# Altium PCB BLDC-2020_LOCAL_2544.PcbDoc (part 1 of 2) (continued)
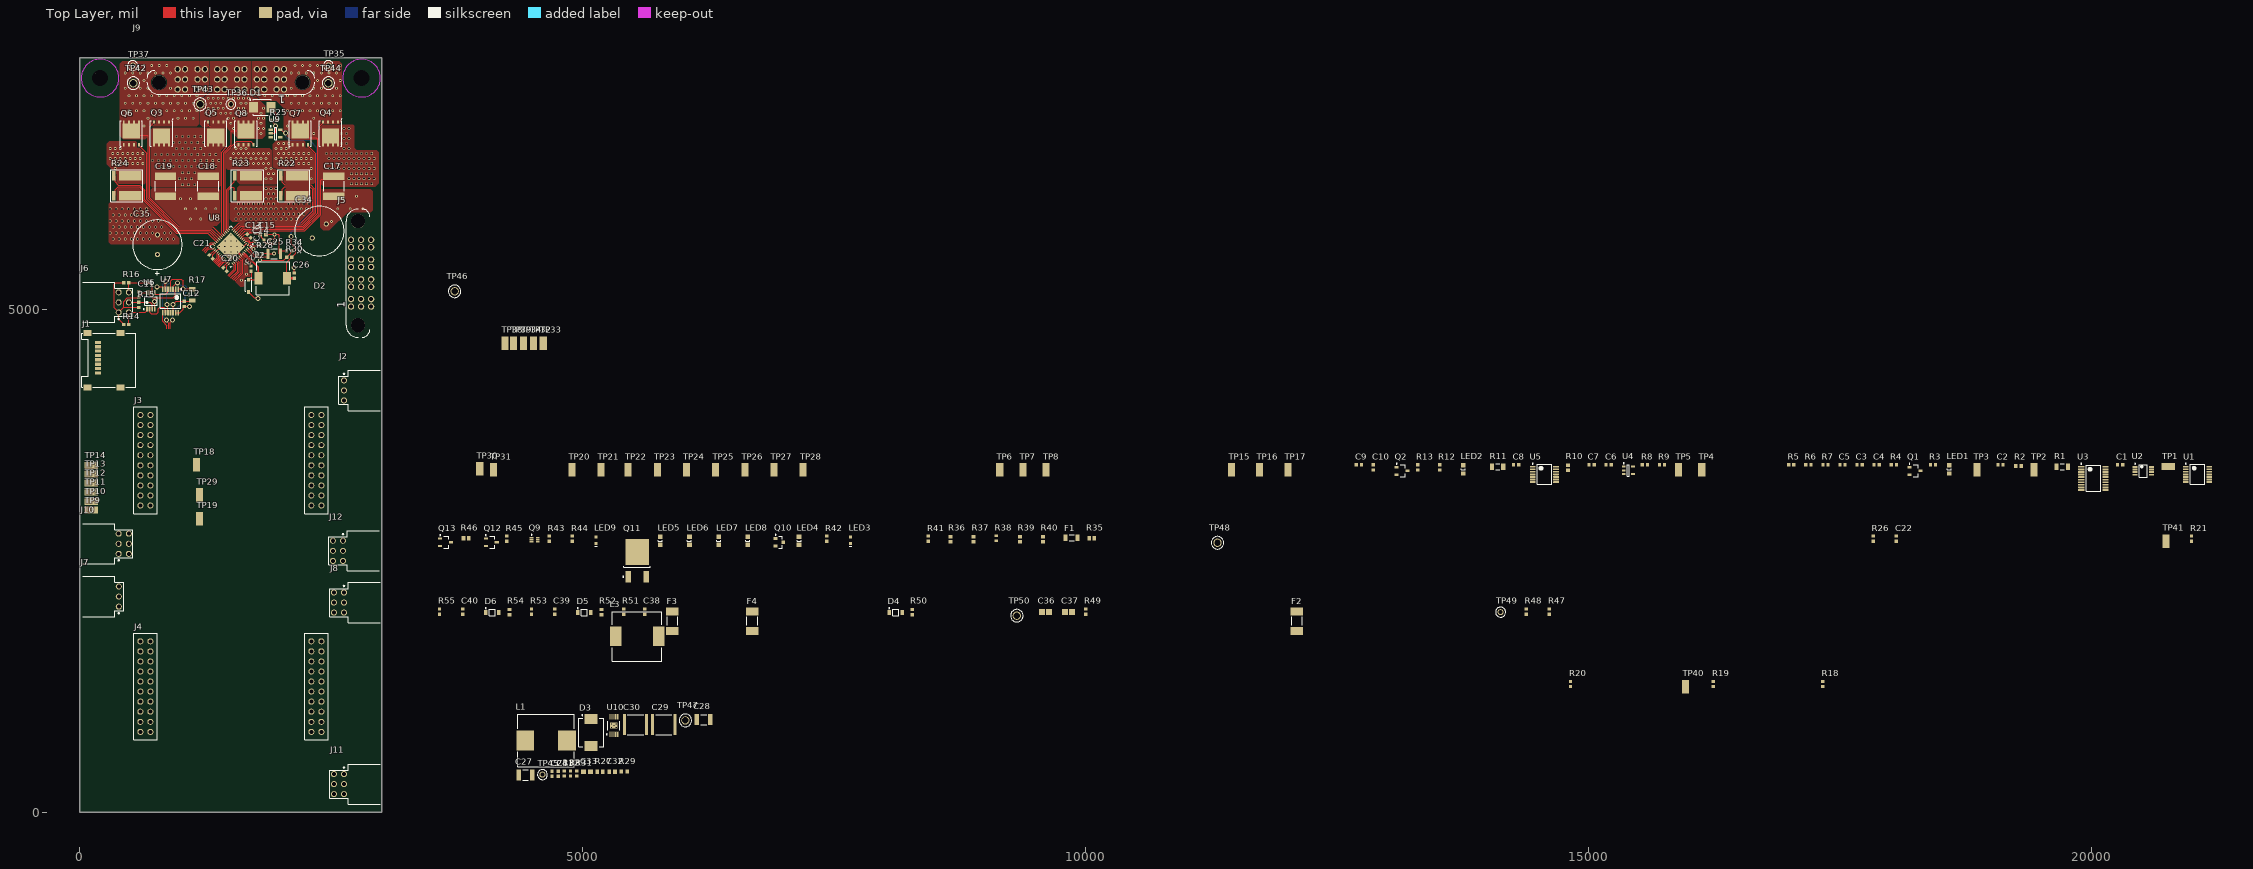
[diagram p0: Top Layer view]
## Part data (continued)
C25: library part CMP-2000-06053-1, "Chip Capacitor, 2.2 uF, +/- 10%, -55 to 125 degC, 1210 (3225 Metric), RoHS, Tape and Reel", Capacitance=2.2µF, Manufacturer=TDK, Operating Temperature=-55°C~125°C, Package / Case=1210(3225Metric), Package Description="2-Pin Surface Mount Device, Body 3.2 x 2.5 mm", Package Reference="1210 (3225 Metric)", PCN Part Number=MLCCPartNumberChange30/Nov/2012, Ratings=-, Standard Package=1, Temperature Coefficient=X7R, Tolerance=±10%, Voltage - Rated=100V, Applications=GeneralPurpose, Catalog Drawings=CSERIES_1210_2.5, Category=Capacitors, Datasheet URL=https://datasheet.ciiva.com/15192/getdatasheetpartid-725361-15192330.pdf, Datasheet Version=10/2014, Family=CeramicCapacitors, Featured Product=C-SeriesMidVoltageMLCCs, Features=-, Height - Seated (Max)=-, Lead Spacing=-, Lead Style=-, Manufacturer URL=http://www.tdk.com/, Mounting Technology=SurfaceMount, Mounting Type=SurfaceMount,MLCC, Online Catalog=CSeries,MidVoltage, Other Names=445-4497-6, Packaging=Digi-Reel®, Product Training Modules=SEAT,CCV,andTVCLDesignToolsGuidetoReplacinganElectrolyticCapacitorwithanMLCC, RoHS Information=RoHSCertificate-MLCC, Series=C, Size / Dimension="0.126\"Lx0.098\"W(3.20mmx2.50mm)", Thickness (Max)="0.098\"(2.50mm)"
C26: library part CL10A106MQ8NNNC, "Cap Ceramic 10uF 6.3V X5R 20% SMD 0603 85C Paper T/R", Case/Package=0603, Case Code (Metric)=1608, Dielectric=X5R, Manufacturer=Samsung, Max Operating Temperature=85°C, Min Operating Temperature=-55°C, Package Quantity=1, Tolerance=20%, Voltage=6.3V, Capacitance=10uF, Case Code (Imperial)=0603, ClassName="3.3V Regulator", ComponentLink1Description=http://www.samsungsem.com/kr/support/library/product-catalog/mlcc.jsp, ComponentLink1URL=http://www.samsungsem.com/kr/support/library/product-catalog/mlcc.jsp, ComponentLink2Description=https://www.verical.com/server-webapp/html/getDatasheet?partID=357557, ComponentLink2URL=https://www.verical.com/server-webapp/html/getDatasheet?partID=357557, ComponentLink3Description=http://www1.futureelectronics.com/doc/SAMSUNG%20PASSIVE/CL05B104KQ5NNNC.pdf, ComponentLink3URL=http://www1.futureelectronics.com/doc/SAMSUNG%20PASSIVE/CL05B104KQ5NNNC.pdf, Contact Plating=Tin, Depth=0.8mm, Height=0.8mm, Length=1.6mm, Manufacturer Part Number=CL10A106MQ8NNNC, Mount="Surface Mount", Packaging="Tape and Reel", Pricing 1="1=0.15, 10=0.11, 100=0.0515, 500=0.03614, 1000=0.02992 (USD)", Radiation Hardening=No, Stock 1=40000, Supplier 1=Digi-Key, Thickness=0.035inch, Voltage Rating=6.3V, Width=0.031inch
C27 C28: library part CMP-2000-05259-1, "CAP, Ceramic, 100 uF, 20%, 6.3 V, 1210, RoHS, Tape and Reel", Dielectric=X5R, Manufacturer=MurataElectronics, Operating Temperature=-55to85degC, Package/Case=1210, Package Description="2-Pin Surface Mount Device, Body 3.2 x 2.5 mm", Tolerance=20%, Voltage=6.3Vdc, Capacitance Value=100uF, Category=CapacitorCeramicMultilayer, ClassName="5V Regulator", Construction=Flat, Datasheet URL=https://datasheet.ciiva.com/29199/455114-da-01-en-vs-kondensator-1210-29199468.pdf, Datasheet Version=Dec-10, Manufacturer URL=http://www.murata.com/, Mounting=SurfaceMount, Package Reference=1210, Product Depth=2.5mm, Product Height=2.5mm, Product Length=3.2mm, Rad Hard=No, Type=Flat
C29 C30: library part CMP-2000-06059-1, "Chip Capacitor, 10 uF, +/- 20%, 100 V, -55 to 125 degC, 2220 (5750 Metric), RoHS, Tape and Reel", Capacitance=10µF, Manufacturer=TDK, Operating Temperature=-55°C~125°C, Package / Case=2220(5750Metric), Package Description="SMD, 2-Leads, Body 6.1 x 5.4 mm", Package Reference=C5750-2, PCN Part Number=MLCCPartNumberChange30/Nov/2012, Ratings=-, Standard Package=1, Temperature Coefficient=X7S, Tolerance=±20%, Voltage - Rated=100V, Applications=GeneralPurpose, Catalog Drawings=CSERIES_2220_2.5, Category=Capacitors, ClassName="5V Regulator", Datasheet URL=https://datasheet.ciiva.com/24216/c5750x7s2a106m230kb-265716-24216594.pdf, Datasheet Version=09/2013, Family=CeramicCapacitors, Featured Product=Compact,High-CapacitanceMultilayerCeramicChipCapacitorsMidVoltageX7S-100VMLCCsC-SeriesMidVoltageMLCCs, Features=-, Height - Seated (Max)=-, Kits=445-9009-KIT-ND-KITCAPCERHICAP100V-630VSMDSAMPLEKIT1008-ND-KITCAPCERMLCC100V-630V, Lead Spacing=-, Lead Style=-, Manufacturer URL=http://www.tdk.com/, Mounting Technology=SurfaceMount, Mounting Type=SurfaceMount,MLCC, Online Catalog=CSeries,MidVoltage, Other Names=445-5212-1, Packaging=CutTape(CT), Product Training Modules=SEAT,CCV,andTVCLDesignToolsCSeriesMidVoltageCapacitorsFamilyGuidetoReplacinganElectrolyticCapacitorwithanMLCC, RoHS Information=RoHSCertificate-MLCC, Series=C, Size / Dimension="0.224\"Lx0.197\"W(5.70mmx5.00mm)", Thickness (Max)="0.098\"(2.50mm)"
C32: library part CMP-2006-02483-1, Manufacturer=Murata, Part Number=GRM188R72A472KA01D, ClassName="5V Regulator"
C33: library part CMP-2006-02064-1, Manufacturer="AVX Interconnect / Elco", Part Number=06035C271KAT2A, ClassName="5V Regulator"
C34 C35: library part EGPD800ELL391MK25H, "CAP ALUM 390UF 20% 80V RADIAL", Case/Package=Radial, ESR (Equivalent Series Resistance)=52mR, Manufacturer 1="United Chemi-Con", Max Operating Temperature=135°C, Min Operating Temperature=-40°C, Package Quantity=1000, Ripple Current=2.05A, Tolerance=20%, Voltage Rating=80V, Capacitance=390uF, ClassName=FETBridge, ComponentLink1Description=https://datasheet.ciiva.com/31836/76cat-db-al-cgieejppdfnamegpd-cgieejppdfnamegpd-31836902.pdf?src-supplier=Onlinecomponents.com, ComponentLink1URL=https://datasheet.ciiva.com/31836/76cat-db-al-cgieejppdfnamegpd-cgieejppdfnamegpd-31836902.pdf?src-supplier=Onlinecomponents.com, Diameter=12.5mm, Height=12.5mm, Height - Seated (Max)=1.043inch, Lead/Base Style=Straight, Lead Pitch=0.197inch, Length=25mm, Life (Hours)=3000Hour, Manufacturer Part Number 1=EGPD800ELL391MK25H, Mount="Through Hole", Packaging=Bulk, Pricing 1="1=1.62000, 10=1.28300, 100=0.96200, 500=0.72684, 1000=0.64133, 2500=0.59857, 5000=0.58147 (USD)", RoHS=Yes, Stock 1=4261, Supplier 1=Digi-Key, Termination=Radial, Voltage Rating (DC)=80V, Width=12.5mm
C36 C37: library part CMP-2007-01021-1, Manufacturer=Kemet, Part Number=C0805C226M9PAC7800
C38 C39 C40: library part C0603C473K5RACTU, "Multilayer Ceramic Capacitor, C Series, 0.047 - F, - 10%, X7R, 50 V, 0603 [1608 Metric] ;RoHS Compliant: Yes", Case/Package=0603, Case Code (Metric)=1608, Dielectric=X7R, Dielectric Material=Ceramic, Manufacturer 1=KEMET, Max Operating Temperature=125°C, Min Operating Temperature=-55°C, Package Quantity=1, Tolerance=10%, Voltage=50V, Capacitance=47nF, Case Code (Imperial)=0603, ComponentLink1Description=https://datasheet.ciiva.com/6074/1776093-6074329.pdf?src-supplier=Farnell, ComponentLink1URL=https://datasheet.ciiva.com/6074/1776093-6074329.pdf?src-supplier=Farnell, ComponentLink2Description=https://datasheet.ciiva.com/28682/1851736-28682298.pdf?src-supplier=Element14, ComponentLink2URL=https://datasheet.ciiva.com/28682/1851736-28682298.pdf?src-supplier=Element14, ComponentLink3Description=https://datasheet.ciiva.com/7823/1776093-7823803.pdf?src-supplier=Element14, ComponentLink3URL=https://datasheet.ciiva.com/7823/1776093-7823803.pdf?src-supplier=Element14, ComponentLink4Description=https://datasheet.ciiva.com/18193/getdatasheetpartid-94279-18193115.pdf?src-supplier=Verical, ComponentLink4URL=https://datasheet.ciiva.com/18193/getdatasheetpartid-94279-18193115.pdf?src-supplier=Verical, ComponentLink5Description=https://datasheet.ciiva.com/7823/1776093-7823804.pdf?src-supplier=Element14, ComponentLink5URL=https://datasheet.ciiva.com/7823/1776093-7823804.pdf?src-supplier=Element14, Depth=0.8mm, Dissipation Factor=2.5%, Height=0.8mm, Lead Pitch=0.7mm, Length=1.6mm, Manufacturer Part Number 1=C0603C473K5RACTU, Mount="Surface Mount,PCB", Number of Pins=2, Packaging="Tape and Reel", Pricing 1="1=0.12000, 10=0.08800, 100=0.04130, 500=0.02896, 1000=0.02397 (USD)", Radiation Hardening=No, REACH SVHC="No SVHC", RoHS=Yes, Stock 1=340857, Supplier 1=Digi-Key, Termination=SMD/SMT, Thickness=0.034inch, Voltage Rating=50V, Voltage Rating (DC)=50V, Width=0.8mm
D1: library part CMP-1060-00146-1, "3 W Zener Voltage Regulator, 2-Pin SMB, Pb-Free, Tape and Reel", Manufacturer="On Semiconductor", ClassName=FETBridge, ComponentLink1Description="Manufacturer URL", ComponentLink1URL=http://www.onsemi.com/, ComponentLink2Description=Datasheet, ComponentLink2URL=http://www.onsemi.com/pub_link/Collateral/1SMB5913BT3-D.PDF, ComponentLink3Description="Package Specification", ComponentLink3URL=http://www.onsemi.com/pub_link/Collateral/1SMB5913BT3-D.PDF, DatasheetVersion="Rev. 8", Mounting Technology="Surface Mount", PackageDescription="2-Pin Small Molded Package, J-Bend Lead, Body 4.33 x 3.625 mm", PackageReference=SMB-2-403A-03_H, PackageVersion="Rev. H, 05/2011", Packing="Tape and Reel", PartNumber=1SMB5936BT3G, RoHS=Pb-Free, VZ Typ (V)=30
D2: "NEXPERIA - PMEG6010CEH,115 - DIODE, SCHOTTKY, 1A, 60V, SOD-123F", Manufacturer 1=Nexperia, ClassName="3.3V Regulator", ComponentLink1Description=https://www.mouser.com/ds/2/302/PMEG6010CEH_PMEG6010CEJ-102368.pdf?src-supplier=Mouser, ComponentLink1URL=https://www.mouser.com/ds/2/302/PMEG6010CEH_PMEG6010CEJ-102368.pdf?src-supplier=Mouser, ComponentLink2Description=http://www.farnell.com/datasheets/109684.pdf?src-supplier=Farnell, ComponentLink2URL=http://www.farnell.com/datasheets/109684.pdf?src-supplier=Farnell, ComponentLink3Description=https://assets.nexperia.com/documents/data-sheet/PMEG6010CEH_PMEG6010CEJ.pdf?src-supplier=Digi-Key, ComponentLink3URL=https://assets.nexperia.com/documents/data-sheet/PMEG6010CEH_PMEG6010CEJ.pdf?src-supplier=Digi-Key, Manufacturer Part Number 1=PMEG6010CEH,115, Pricing 1="1=0.46000, 10=0.34400, 100=0.21410, 500=0.14650, 1000=0.11269 (USD)", RoHS=No, Stock 1=154416, Supplier 1=Digi-Key
D3: library part CMP-2000-05889-1, "High Voltage Schottky Barrier Rectifier, 100 V, 3 A, -55 to 125 degC, 2-Pin SMD, RoHS, Tape and Reel", If - Forward Current=3A, Ifsm - Forward Surge Current=100A, Ir - Reverse Current=500uA, Manufacturer=DiodesIncorporated, Maximum Operating Temperature=+125C, Minimum Operating Temperature=-55C, Operating Temperature Range=-55Cto+125C, Package / Case=SMC, Package Description="2-Pin Surface Mount Device, Body 5.905 x 6.855 mm", Vf - Forward Voltage=0.79V, Vrrm - Repetitive Reverse Voltage=100V, Brand=DiodesIncorporated, ClassName="5V Regulator", Configuration=Single, Datasheet URL=http://www.diodes.com/_files/datasheets/ds30020.pdf, Datasheet Version="Rev. 13-2, 09/2010", Factory Pack Quantity=3000, Height=2.5mm, Length=7.11mm, Manufacturer URL=http://www.diodes.com/, Mounting Style=SMD/SMT, Mounting Technology=SurfaceMount, Package Reference=SMC, Packaging=Reel, Product=SchottkyDiodes, Product Category=SchottkyDiodes&Rectifiers, RoHS=True, Series=B3100, Technology=Si, Termination Style=SMD/SMT, Type=SchottkyBarrierRectifier, Unit Weight=0.007408oz, Width=6.22mm
D4 D5 D6: library part CMP-1060-00363-1, "Zener Voltage Regulator, 500 mW, 2-Pin SOD-123, Pb-Free, Tape and Reel", Manufacturer="On Semiconductor", ComponentLink1Description="Manufacturer URL", ComponentLink1URL=http://www.onsemi.com/, ComponentLink2Description=Datasheet, ComponentLink2URL=http://www.onsemi.com/pub_link/Collateral/MMSZ5221BT1-D.PDF, ComponentLink3Description="Package Specification", ComponentLink3URL=http://www.onsemi.com/pub_link/Collateral/425-04.PDF, DatasheetVersion="Rev. 12", Mounting Technology="Surface Mount", PackageDescription="2-Pin SOD, Body 1.6 x 2.69 mm", PackageReference=SOD-123-2-425-04, PackageVersion="Rev. G, 10/2009", Packing="Tape and Reel", PartNumber=MMSZ5226BT1G, P Max (W)=0.5, RoHS=Pb-Free, VZ Typ (V)=3.3
F1: library part CMP-2000-06806-1, "PolySwitch Resettable Device, 6 V, 1.5 A, -40 to 85 degC, 2-Pin SMD, RoHS, Tape and Reel", Manufacturer=TEConnectivity/CircuitProtection, Maximum Current Rating=100A, Maximum Initial Resistance=N/A, Maximum Post Trip Resistance=0.11Ohm, Maximum Voltage Rating=6VDC, Minimum Initial Resistance=0.04Ohm, Operating Temperature=85(Max)C, Package/Case=1206, Package Description="2-Pin Surface Mount Device, Body 3.2 x 1.585 mm", Package Reference=NANOSMDC150F-2, Trip Current=3A, Typical Power Dissipation=0.8(Max)W, Agency Approvals=CSA,TUV,UL, Applications=N/A, Datasheet URL=http://www.te.com/commerce/DocumentDelivery/DDEController?Action=showdoc&DocId=Catalog+Section%7FCLP00010%7FA%7Fpdf%7FEnglish%7FENG_CS_CLP00010_A_CLP00010.pdf%7FRF1359-000, Datasheet Version=11/2013, Dimension=3.4(Max)x1.8(Max)x0.89(Max)mm, Family=NANOSMD, Hold Current=1.5A, Lead Diameter=N/R, Manufacturer URL=http://www.te.com/, Maximum Trip Time=0.3@8As, Mounting=SurfaceMount, Mounting Technology=SurfaceMount, Number of Terminals=2, Packaging=TapeandReel, Part No=NANOSMDC150F-2, RoHS=Yes, Seated Plane Height=N/R, Terminal Pitch=N/A, Wire Form=N/R
F2 F3 F4: library part CMP-2000-05631-1, "Fuse, 125 V, 500 mA, -55 to 125 degC, 2-Pin SMD, RoHS, Tape and Reel", Current Rating=0.5A, Manufacturer=Littelfuse, Operating Temp Range=-55to+125°C, Package Description="2-Pin Surface Mount Device, Body 6.1 x 2.69 mm", Package Reference=45X, Working Voltage-Max=125V, Datasheet URL=http://www.littelfuse.com/products/fuses/surface-mount-fuses/nano-2-fuses/~/media/electronics/datasheets/fuses/littelfuse_fuse_451_453_datasheet.pdf.pdf, Datasheet Version=02/2016, Manufacturer URL=http://www.littelfuse.com/, Mounting Technology=SurfaceMount, Response Characteristic=VeryFastActing, Size=6.10x2.69mm
J1: library part CMP-1502-00164-1, "WR-CRD Micro SD Card Connector, Hinge Type", Manufacturer="Wurth Elektronik", Operating Temperature=-25to85degC, Rated Current=0.5A, Withstanding Voltage=500VAC, Working Voltage=100VAC, Datasheet URL=https://katalog.we-online.de/em/datasheet/693072010801.pdf, Manufacturer URL=http://www.we-online.de, Mounting Technology=SMT, Package Reference=693072010801, Packaging=TapeandReel, Part Number=693072010801, Publisher=WurthElektronik
J2 J7: "CONN HEADER R/A 3POS 2.54MM", Manufacturer 1=Samtec, Max Current Rating=7.4A, Max Operating Temperature=125°C, Max Voltage Rating (AC)=675V, Min Operating Temperature=-55°C, ComponentLink1Description=http://www.farnell.com/datasheets/2607185.pdf?src-supplier=Farnell, ComponentLink1URL=http://www.farnell.com/datasheets/2607185.pdf?src-supplier=Farnell, ComponentLink2Description=http://components.arrow.com/part/dataview/0323_03818136?src-supplier=Arrow+Europe, ComponentLink2URL=http://components.arrow.com/part/dataview/0323_03818136?src-supplier=Arrow+Europe, ComponentLink3Description=http://www.samtec.com/documents/webfiles/pdf/ipl1.pdf?src-supplier=Avnet+Europe, ComponentLink3URL=http://www.samtec.com/documents/webfiles/pdf/ipl1.pdf?src-supplier=Avnet+Europe, ComponentLink4Description=http://www.samtec.com/documents/webfiles/pdf/ipl1.pdf?src-supplier=Avnet, ComponentLink4URL=http://www.samtec.com/documents/webfiles/pdf/ipl1.pdf?src-supplier=Avnet, ComponentLink5Description=http://www.farnell.com/datasheets/2607185.pdf?src-supplier=Newark, ComponentLink5URL=http://www.farnell.com/datasheets/2607185.pdf?src-supplier=Newark, ComponentLink6Description=http://suddendocs.samtec.com/prints/ipl1-1xx-xx-xxx-s-xx-x-xx-mkt.pdf?src-supplier=Digi-Key, ComponentLink6URL=http://suddendocs.samtec.com/prints/ipl1-1xx-xx-xxx-s-xx-x-xx-mkt.pdf?src-supplier=Digi-Key, Contact Material=Bronze, Contact Plating=Gold, Depth=9.65mm, Gender=Male, Housing Material=Polymer, Length=9.14mm, Manufacturer Part Number 1=IPL1-103-01-L-S-RA-K, Mount="Through Hole", Number of Contacts=3, Number of Ports=1, Number of Terminals=3, Orientation="Right Angle", Packaging=Bulk, Pitch=2.54mm, Pricing 1="1=2.59000, 10=2.34700, 100=2.01180, 500=1.67650, 1000=1.43700, 5000=1.27414 (USD)", Radiation Hardening=No, RoHS=Yes, Stock 1=209, Supplier 1=Digi-Key, Termination=Solder
J3 J4: "Designed to fit a TI luanchpad board or expansion board"
J5: "SAMTEC - MPT-04-01-01-L-RA-SD - HEADER, 4WAY, POWER, R/A", Current Rating=34.8A, Manufacturer 1=Samtec, Max Operating Temperature=125°C, Max Voltage Rating (AC)=600V, Min Operating Temperature=-55°C, Voltage Rating=848V, ClassName=FETBridge, ComponentLink1Description=https://datasheet.ciiva.com/7997/452746-7997632.pdf?src-supplier=Element14, ComponentLink1URL=https://datasheet.ciiva.com/7997/452746-7997632.pdf?src-supplier=Element14, ComponentLink2Description=https://datasheet.ciiva.com/25617/0900766b81157edd-25617154.pdf?src-supplier=RSComponents, ComponentLink2URL=https://datasheet.ciiva.com/25617/0900766b81157edd-25617154.pdf?src-supplier=RSComponents, ComponentLink3Description=https://datasheet.ciiva.com/9446/mps-ra-9446008.pdf?src-supplier=Avnet, ComponentLink3URL=https://datasheet.ciiva.com/9446/mps-ra-9446008.pdf?src-supplier=Avnet, Contact Material="Copper Alloy,Copper", Contact Plating=Gold, Depth=14.81mm, Gender=Male, Housing Material=Polymer, Lead Pitch=5mm, Length=31.36mm, Manufacturer Part Number 1=MPT-04-01-01-L-RA-SD, Mount="Through Hole", Number of Contacts=4, Number of Ports=1, Number of Rows=1, Number of Terminals=32, Orientation="Right Angle", Packaging=Bulk, Pitch=5mm, Pricing 1="1=5.98000, 48=5.25792, 144=4.78000, 528=4.06299, 1008=3.46550 (USD)", Radiation Hardening=No, REACH SVHC="No SVHC", RoHS=Yes, Stock 1=186, Supplier 1=Digi-Key, Termination=Solder
J6 J8 J10 J11 J12: "Terminal Assembly, Double Row, Right Angle, Thru-Hole, 0.100\" x 0.100\" Pitch, 6Pins", Manufacturer=SAMTEC, CREATED="July 16, 2014 - Wendy Xin", PCB DECAL=IPL1-103-01-XXX-D-RA
J9: "Conn Mini-Power Terminal Strip HDR 6 POS Solder RA Thru-Hole 36 Terminal 1 Port", Manufacturer 1=Samtec, Max Operating Temperature=125°C, Max Voltage Rating (AC)=600V, Min Operating Temperature=-55°C, Voltage Rating=848V, ComponentLink1Description=https://datasheet.ciiva.com/25617/0900766b81157edd-25617181.pdf?src-supplier=RSComponents, ComponentLink1URL=https://datasheet.ciiva.com/25617/0900766b81157edd-25617181.pdf?src-supplier=RSComponents, ComponentLink2Description=https://datasheet.ciiva.com/16677/mps-ra-16677806.pdf?src-supplier=Avnet+Europe, ComponentLink2URL=https://datasheet.ciiva.com/16677/mps-ra-16677806.pdf?src-supplier=Avnet+Europe, Contact Material="Copper Alloy,Copper", Contact Plating=Gold, Depth=14.81mm, Gender=Male, Housing Material=Polymer, Lead Pitch=5mm, Manufacturer Part Number 1=MPT-06-01-01-L-RA-SD, Mount="Through Hole", Number of Contacts=6, Number of Ports=1, Number of Rows=1, Number of Terminals=36, Orientation="Right Angle", Packaging=Bulk, Pitch=5mm, Pricing 1="1=7.27000, 48=6.36292, 144=5.75701, 528=4.84799, 1008=4.24200 (USD)", Radiation Hardening=No, REACH SVHC="No SVHC", RoHS=Yes, Stock 1=373, Supplier 1=Digi-Key, Termination=Solder
L1: library part CMP-0226-00043-1, "SMD Flat Wire High Current Inductor WE-HCI, L=22.0 µH", Inductance="22.0 µH", ClassName="5V Regulator", ComponentLink1Description="Manufacturer Link", ComponentLink1URL=http://www.we-online.com, ComponentLink2Description=Datasheet, ComponentLink2URL=http://www.we-online.de/katalog/media/pdf/7443551221.pdf, DatasheetVersion="ver 1, Aug-2009", PackageDescription="Inductor, 2-Leads, Body 13.2 x 12.8 mm", PackageReference=WE-HCI-1365, PackageVersion=2008
L2: library part SRU8043-330Y, "Fixed Inductors 33uH 30% SMD 8043", Case/Package=Nonstandard, Current Rating=1.7A, DC Resistance (DCR)=100mR, Manufacturer 1=Bourns, Max Operating Temperature=125°C, Min Operating Temperature=-40°C, Package Quantity=1000, Saturation Current=1.4A, Self Resonant Frequency=11MHz, Test Frequency=100kHz, Tolerance=30%, ClassName="3.3V Regulator", ComponentLink1Description=https://datasheet.ciiva.com/4959/sru8043-34397-4959893.pdf?src-supplier=Mouser, ComponentLink1URL=https://datasheet.ciiva.com/4959/sru8043-34397-4959893.pdf?src-supplier=Mouser, ComponentLink2Description=https://datasheet.ciiva.com/6708/sru8043-6708554.pdf?src-supplier=Digi-Key, ComponentLink2URL=https://datasheet.ciiva.com/6708/sru8043-6708554.pdf?src-supplier=Digi-Key, ComponentLink3Description=https://datasheet.ciiva.com/48684/sru8043-48684874.pdf?src-supplier=Avnet, ComponentLink3URL=https://datasheet.ciiva.com/48684/sru8043-48684874.pdf?src-supplier=Avnet, ComponentLink4Description=https://datasheet.ciiva.com/41680/70887-41680748.pdf?src-supplier=Newark, ComponentLink4URL=https://datasheet.ciiva.com/41680/70887-41680748.pdf?src-supplier=Newark, Composition=Wirewound, Core Material=Ferrite, DC Current=1.7A, Depth=8.3mm, Height=0.169inch, Height - Seated (Max)=0.181inch, Inductance=33uH, Length=0.315inch, Manufacturer Part Number 1=SRU8043-330Y, Max DC Current=1.7A, Military Standard=Not, Mount="Surface Mount", Number of Pins=2, Packaging="Tape and Reel", Pricing 1="1=0.97000, 10=0.89700, 100=0.64860, 500=0.49680 (USD)", Q Factor=21, RoHS=Yes, Shielding=Shielded, Stock 1=3183, Supplier 1=Digi-Key, Termination=SMD/SMT, Width=0.315inch
L3: library part DR125-124-R, "Fixed Inductors 120 000uH 0.069A 150ohms", Case/Package=120, Current=60A, Current Rating=60mA, DC Resistance (DCR)=150R, Inductance=120mH, Manufacturer 1="Eaton Bussmann", Max DC Current=69mA, Max Operating Temperature=125°C, Min Operating Temperature=-40°C, Package Quantity=600, Saturation Current=58A, Test Frequency=100kHz, Tolerance=20%, ComponentLink1Description=https://datasheet.ciiva.com/16291/4a32919a-7470-4ae0-be45-b59e3a1351ef-16291744.pdf?src-supplier=Future+Electronics, ComponentLink1URL=https://datasheet.ciiva.com/16291/4a32919a-7470-4ae0-be45-b59e3a1351ef-16291744.pdf?src-supplier=Future+Electronics, ComponentLink2Description=https://datasheet.ciiva.com/4958/bus-elx-ds-4315-dr-series-4958109.pdf?src-supplier=Mouser, ComponentLink2URL=https://datasheet.ciiva.com/4958/bus-elx-ds-4315-dr-series-4958109.pdf?src-supplier=Mouser, Core Material=Ferrite, DC Current=60mA, Depth=12.5mm, Height=6mm, Lead Free="Lead Free", Length=12.5mm, Manufacturer Part Number 1=DR125-124-R, Military Standard=Not, Mount="Surface Mount", Number of Pins=2, Packaging="Tape and Reel", Pricing 1="1=1.95000, 10=1.80100, 100=1.26060 (USD)", RoHS=Yes, Shielding=Shielded, Stock 1=1520, Supplier 1=Digi-Key, Termination=SMD/SMT, Weight=0.016oz, Width=0.492inch
LED1 LED2 LED4 LED5 LED6 LED7 LED8: library part CMP-1426-00007-1, "SMD mono-color Chip LED, WL-SMCW, Green", Color=Green, Manufacturer="Wuerth Elektronik", ComponentLink1Description="Manufacturer URL", ComponentLink1URL=http://www.we-online.com, ComponentLink2Description=Datasheet, ComponentLink2URL=http://katalog.we-online.com/led/datasheet/150080GS75000.pdf, PackageReference=0805_A, PartNumber=150080GS75000
LED3 LED9: library part CMP-1426-00006-1, "SMD mono-color Chip LED, WL-SMCW, Bright Green", Color="Bright Green", Manufacturer="Wuerth Elektronik", ComponentLink1Description="Manufacturer URL", ComponentLink1URL=http://www.we-online.com, ComponentLink2Description=Datasheet, ComponentLink2URL=http://katalog.we-online.com/led/datasheet/150060VS75000.pdf, PackageReference=0603_A, PartNumber=150060VS75000
Q1 Q2 Q12 Q13: "MOSFET N-CH 12V 9.3A SC59", Capacitance=2.426E-09F, Case/Package=TO-236-3, Continuous Drain Current (ID)=9.3A, Drain to Source Breakdown Voltage=12V, Drain to Source Resistance=41mR, Gate to Source Voltage (Vgs)=4.5V, Input Capacitance=2.426nF, Manufacturer 1=Diodes, Max Operating Temperature=150°C, Max Power Dissipation=680mW, Min Operating Temperature=-55°C, Package Quantity=3000, ComponentLink1Description=http://www.mouser.com/ds/2/115/DMN1019USN-336718.pdf?src-supplier=Mouser, ComponentLink1URL=http://www.mouser.com/ds/2/115/DMN1019USN-336718.pdf?src-supplier=Mouser, ComponentLink2Description=https://www.diodes.com/assets/Datasheets/DMN1019USN.pdf?src-supplier=Digi-Key, ComponentLink2URL=https://www.diodes.com/assets/Datasheets/DMN1019USN.pdf?src-supplier=Digi-Key, Drain to Source Voltage (Vdss)=12V, Element Configuration=Single, Fall Time=16.8ns, Lead Free="Lead Free", Manufacturer Part Number 1=DMN1019USN-7, Mount="Surface Mount", Number of Channels=1, Packaging="Tape and Reel", Pricing 1="1=0.44000, 10=0.35400, 100=0.24130, 500=0.18096, 1000=0.13572 (USD)", Rds On Max=10mR, Rise Time=57.6ns, RoHS=Yes, Stock 1=30621, Supplier 1=Digi-Key, Turn-Off Delay Time=22.2ns, Turn-On Delay Time=7.6ns, Weight=0.000282oz
Q3 Q4 Q5 Q6 Q7 Q8: "MOSFET N-CH 60V 100A 8TDSON", Manufacturer 1=Infineon, ClassName=FETBridge, ComponentLink1Description=https://www.infineon.com/dgdl/Infineon-BSC027N06LS5-DS-v02_00-EN.pdf?fileId=5546d46258fc0bc101596e1c881234d6&src-supplier=Digi-Key, ComponentLink1URL=https://www.infineon.com/dgdl/Infineon-BSC027N06LS5-DS-v02_00-EN.pdf?fileId=5546d46258fc0bc101596e1c881234d6&src-supplier=Digi-Key, Manufacturer Part Number 1=BSC027N06LS5ATMA1, Pricing 1="1=2.07000, 10=1.85900, 100=1.49430, 500=1.22768, 1000=1.01722 (USD)", RoHS=No, Stock 1=3937, Supplier 1=Digi-Key
Q9: library part CMP-1259-00353-1, "N/P-Channel Trench MOSFET, 30 / -30 V, 400 / -220 mA, -55 to 150 degC, 6-Pin SOT666, Tape and Reel", Manufacturer="NXP Semiconductors", Automotive Qualified=Y, Channel Type=N/P, ComponentLink1Description="Manufacturer URL", ComponentLink1URL=http://www.nxp.com/, ComponentLink2Description=Datasheet, ComponentLink2URL=http://www.nxp.com/documents/data_sheet/NX3008CBKV.pdf, ComponentLink3Description="Package Specification", ComponentLink3URL=http://www.nxp.com/documents/outline_drawing/sot666_po.pdf, DatasheetVersion="Rev. 1", Mounting Technology="Surface Mount", PackageDescription="6-Pin Small Outline Transistor Package, Body 1.6 x 1.2 mm, Pitch 0.5 mm", PackageReference=SOT666, PackageVersion="06-03-16, 03/2006", Packing="Tape & Reel", PartNumber=NX3008CBKV,115
Q10: library part CMP-1058-00754-1, "Trench Power MOSFET, -20 V, Single P-Channel, 3-Pin SOT-23, Pb-Free, Tape and Reel", Manufacturer="On Semiconductor", Package Type=SOT-23-3, Channel Polarity="P Channel", Ciss Typ (pF)=675, ComponentLink1Description="Manufacturer URL", ComponentLink1URL=http://www.onsemi.com/, ComponentLink2Description=Datasheet, ComponentLink2URL=http://www.onsemi.cn/pub_link/Collateral/NTR4101P-D.PDF, ComponentLink3Description="Package Specification", ComponentLink3URL=http://www.onsemi.cn/pub_link/Collateral/318-08.PDF, Configuration=Single, Coss Typ (pF)=100, Crss Typ (pF)=75, DatasheetVersion="Rev. 9", ID Max (A)=3.2, Mounting Technology="Surface Mount", PackageDescription="3-Pin Small Outline Transistor, Body 2.92 x 1.3 mm, Pitch 0.95 mm", PackageReference=SOT-23-3-318-08, PackageVersion="Rev. AP, 11/2009", Packing="Tape and Reel", PartNumber=NTR4101PT1G, Qrr Typ (nC)=1008, RoHS=Pb-Free, V(BR)DSS Min (V)=20, VGS(th) Max (V)=1.2, VGS Max (V)=8
Q11: "Trans MOSFET N-CH 250V 7.4A 3-Pin(2+Tab) DPAK T/R", Case/Package=TO-252-3, Continuous Drain Current (ID)=7.4A, Drain to Source Breakdown Voltage=250V, Drain to Source Resistance=420mR, Gate to Source Voltage (Vgs)=30V, Input Capacitance=700pF, Manufacturer="ON Semiconductor / Fairchild", Max Operating Temperature=150°C, Max Power Dissipation=2.5W, Min Operating Temperature=-55°C, Package Quantity=2500, ComponentLink1Description=https://www.fairchildsemi.com/tape-and-reel-drawings/PKG-TO252A03.pdf, ComponentLink1URL=https://www.fairchildsemi.com/tape-and-reel-drawings/PKG-TO252A03.pdf, ComponentLink2Description=https://www.fairchildsemi.com/datasheets/FQ/FQD9N25.pdf, ComponentLink2URL=https://www.fairchildsemi.com/datasheets/FQ/FQD9N25.pdf, Drain to Source Voltage (Vdss)=250V, Element Configuration=Single, Fall Time=45ns, Manufacturer Part Number=FQD9N25TM_F080, Mount="Surface Mount", Number of Pins=3, Packaging="Tape and Reel", Power Dissipation=2.5W, Pricing 1="1=1.77, 10=1.563, 100=1.2355, 500=0.95816, 1000=0.75644 (USD)", Radiation Hardening=No, Rds On Max=420mR, Rise Time=105ns, Stock 1=2322, Supplier 1=Digi-Key, Turn-Off Delay Time=25ns, Turn-On Delay Time=13ns, Weight=0.26037g
R1 R11 R17: library part CMP-2100-03681-1, "Chip Resistor, 0 Ohm, +/- 5%, -55 to 155 degC, 1206 (3216 Metric), RoHS, Tape and Reel", Case/Package=1206, Case Code (Metric)=3216, Manufacturer=Yageo, Max Operating Temperature=155degC, Max Power Dissipation=250mW, Min Operating Temperature=-55degC, Package Description="2-Pin Surface Mount Device, Body 3.1 x 1.6 mm", Package Quantity=5000, Package Reference=1206.0, Resistance=0mOhm, Temperature Coefficient=200ppm/degreesC, Tolerance=5%, Voltage Rating=200V, Case Code (Imperial)=1206, Composition=CarbonFilm, Contact Plating=Tin, Datasheet URL=http://www.yageo.com/documents/recent/PYu-RC_Group_51_RoHS_L_5.pdf, Datasheet Version="Rev. 5, 10/2016", Depth=1.6mm, Height=0.026inch, Lead Free=LeadFree, Length=3.1mm, Manufacturer URL=http://www.yageo.com/, Military Standard=Not, Number of Terminations=2, Packaging=TapeandReel, Power Rating=250mW, Radiation Hardening=No, REACH SVHC=Unknown, RoHSCompliant=true, Termination=SMD/SMT, Width=0.063inch
R2 R10 R36 R37 R39 R40: library part CMP-2000-01951-1, Manufacturer=Susumu, Part Number=RG1608N-910-B-T5